# KiCad board mtk64_R_rev2.kicad_pcb (continued)
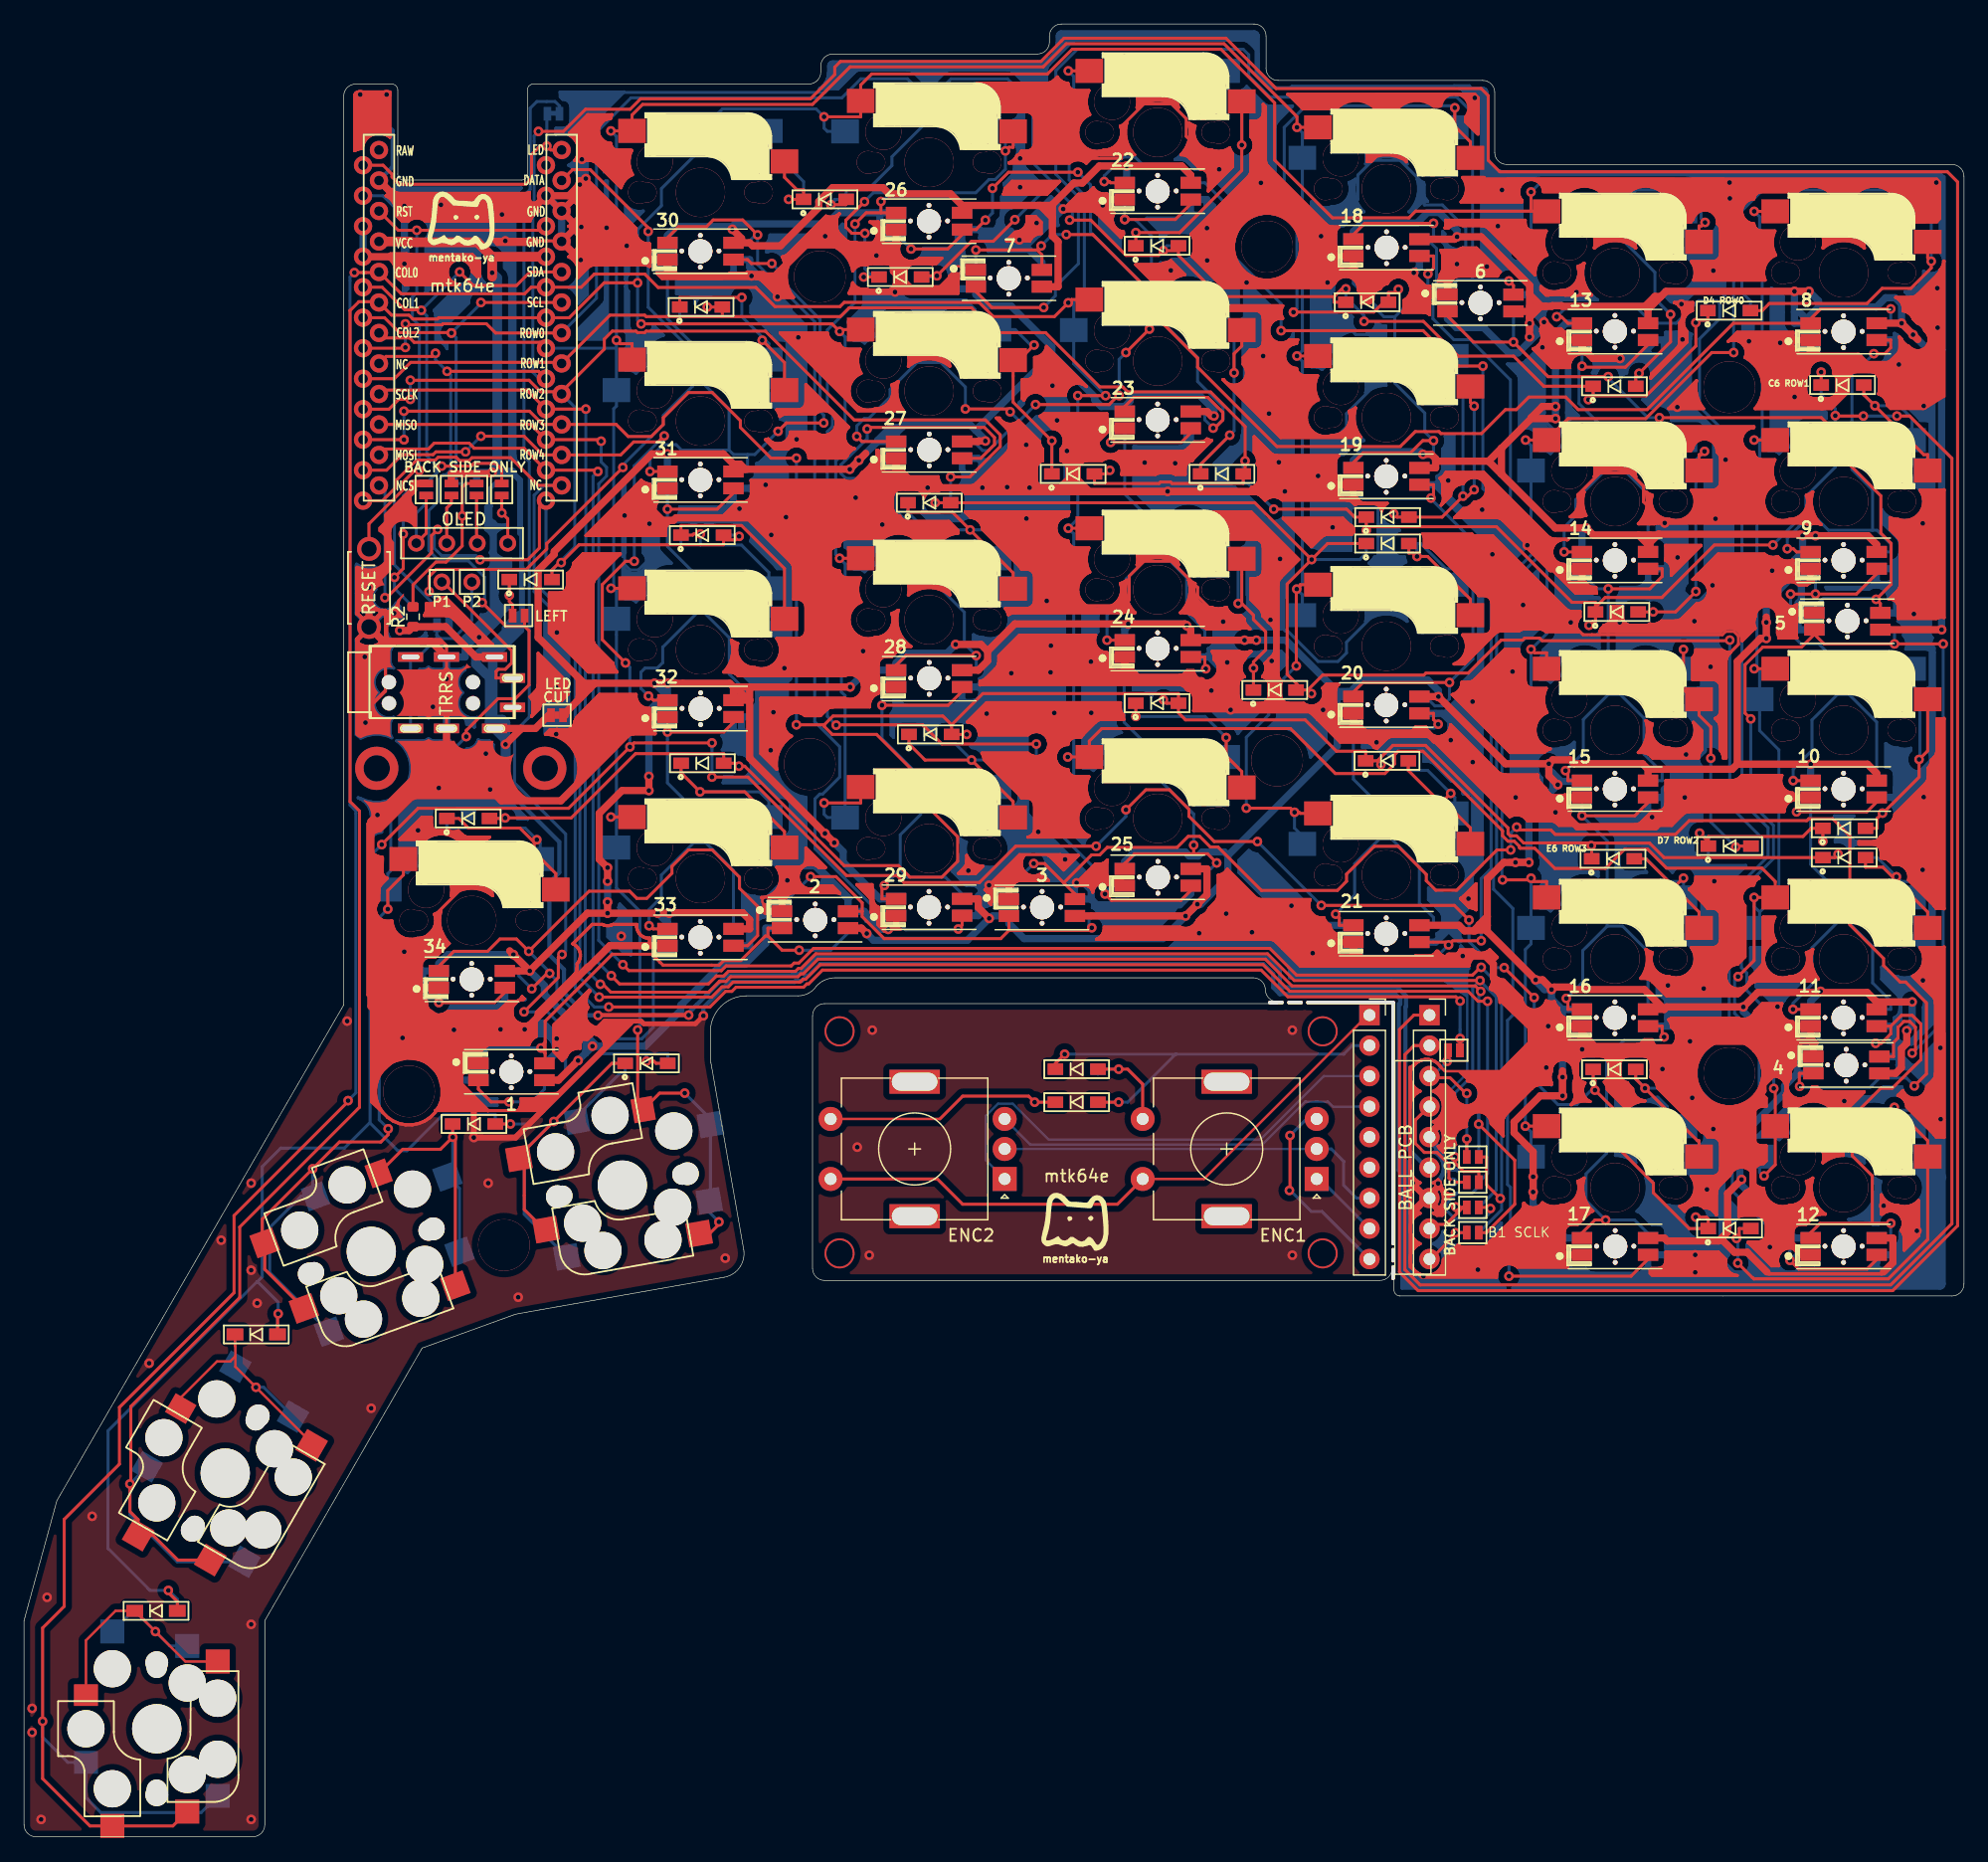
[diagram p0: board, top side]
## Routing (per net, layer and track width the routed paths; a pad name or vN(x,y) marks a point on that pad's centre or on a via; arc(x,y) is an arc through that point) (continued)
139.96,104.53 ; 140.1,104.39 140.21,104.22 ; 140.1,104.39 139.96,104.53 ; 140.1,104.39 140.21,104.22 ; 139.96,104.53 139.79,104.65 ; 139.96,104.53 139.79,104.65 ; 106.78,93.79 106.75,93.8 ; 106.78,93.79 106.89,93.78 ; 106.78,93.79 106.89,93.78 ; 106.78,93.79 106.75,93.8 ; 106.75,93.8 106.71,93.79 ; 106.75,93.8 106.71,93.79 ; 87.14,120.85 87.31,120.96 ; 87.14,120.85 87.31,120.96 ; 86.86,88.91 86.98,88.91 ; 86.86,88.91 86.66,88.95 ; 86.86,88.91 86.98,88.91 ; 86.86,88.91 86.66,88.95 ; 86.98,88.91 86.98,88.82 ; 86.98,88.91 86.98,88.82 ; 118.95,53.49 119.1,53.49 ; 118.95,53.49 118.75,53.53 ; 118.95,53.49 119.1,53.49 ; 118.95,53.49 118.75,53.53 ; 119.1,53.49 118.98,53.47 ; 119.1,53.49 118.98,53.47 ; 141.3,96 141.24,96.11 ; 141.3,96 141.34,95.88 ; 141.3,96 141.34,95.88 ; 141.3,96 141.24,96.11 ; 141.24,96.11 141.16,96.21 ; 141.24,96.11 141.16,96.21 ; 45.27,104.25 45.27,105.2 ; 45.27,104.25 45.27,105.2 ; 45.27,104.25 45.26,104.13 ; 45.27,104.25 45.26,104.13 ; 45.27,105.2 45.27,105.23 ; 45.27,105.2 45.27,105.23 ; 69.78,113.57 69.9,113.68 ; 69.78,113.57 69.72,113.42 ; 69.78,113.57 69.9,113.68 ; 69.78,113.57 69.72,113.42 ; 63.63,129.14 63.83,128.63 ; 63.63,129.14 63.83,128.63 ; 63.83,128.63 64.11,128.22 ; 63.83,128.63 64.11,128.22 ; 96.84,140.7 97.04,141.19 ; 96.84,140.7 97.04,141.19 ; 96.84,140.7 96.55,140.26 ; 96.84,140.7 96.55,140.26 ; 97.04,141.19 97.15,141.71 ; 97.04,141.19 97.15,141.71 ; 147.42,66.78 147.48,66.67 ; 147.42,66.78 147.38,66.9 ; 147.42,66.78 147.48,66.67 ; 147.42,66.78 147.38,66.9 ; 147.48,66.67 147.56,66.57 ; 147.48,66.67 147.56,66.57 ; 32.23,134.74 32.06,134.63 ; 32.23,134.74 32.42,134.82 ; 32.23,134.74 32.42,134.82 ; 32.23,134.74 32.06,134.63 ; 32.06,134.63 32.02,134.58 ; 32.06,134.63 32.02,134.58 ; 136.69,85.72 136.75,85.83 ; 136.69,85.72 136.61,85.62 ; 136.69,85.72 136.61,85.62 ; 136.69,85.72 136.75,85.83 ; 136.75,85.83 136.79,85.95 ; 136.75,85.83 136.79,85.95 ; 157.34,134.48 157.46,134.49 157.34,134.48 ; 157.34,134.48 157.22,134.45 ; 157.34,134.48 157.22,134.45 ; 69.55,103.29 69.71,102.9 ; 69.55,103.29 69.47,103.71 ; 69.55,103.29 69.47,103.71 ; 69.55,103.29 69.71,102.9 ; 84.08,133.32 83.94,133.18 ; 84.08,133.32 84.25,133.43 ; 84.08,133.32 84.25,133.43 ; 84.08,133.32 83.94,133.18 ; 83.94,133.18 83.83,133.01 ; 83.94,133.18 83.83,133.01 ; 147.37,125.18 147.38,124.96 ; 147.37,125.18 147.38,125.3 ; 147.37,125.18 147.38,125.3 ; 147.37,125.18 147.38,124.96 ; 147.38,124.96 147.53,124.8 ; 147.38,124.96 147.53,124.8 ; 126.26,52.54 126.4,52.66 ; 126.26,52.54 126.4,52.66 ; 91.58,98.42 91.84,98.42 ; 91.58,98.42 91.84,98.42 ; 91.84,98.42 91.84,98.4 ; 91.84,98.42 91.84,98.4 ; 117.72,91.64 117.93,91.64 ; 117.72,91.64 117.93,91.64 ; 133.21,134.34 133.44,133.99 ; 133.21,134.34 133.44,133.99 ; 101.67,101.39 101.68,101.35 ; 101.67,101.39 101.68,101.35 ; 101.67,101.39 101.68,101.43 ; 101.67,101.39 101.68,101.43 ; 101.68,101.35 101.69,101.24 ; 101.68,101.35 101.69,101.24 ; 75,111.62 75.11,111.79 ; 75,111.62 75.11,111.79 ; 135.97,62.84 135.86,63.01 ; 135.97,62.84 135.86,63.01 ; 141.24,92.75 141.17,92.88 ; 141.24,92.75 141.17,92.88 ; 90.23,117.15 90.04,117.07 ; 90.23,117.15 90.04,117.07 ; 90.04,117.07 89.87,116.95 ; 90.04,117.07 89.87,116.95 ; 118.14,130.36 118.18,130.5 ; 118.14,130.36 118.18,130.5 ; 118.14,130.36 118.07,130.22 ; 118.14,130.36 118.07,130.22 ; 118.18,130.5 118.2,130.61 ; 118.18,130.5 118.2,130.61 ; 116.63,126.99 116.74,126.98 ; 116.63,126.99 116.74,126.98 ; 38.09,78.91 37.57,79.01 ; 38.09,78.91 37.57,79.01 ; 37.57,79.01 37.05,79.01 ; 37.57,79.01 37.05,79.01 ; 70.94,77.59 71.06,77.49 ; 70.94,77.59 71.06,77.49 ; 70.94,77.59 70.85,77.7 ; 70.94,77.59 70.85,77.7 ; 71.06,77.49 71.19,77.42 ; 71.06,77.49 71.19,77.42 ; 78.59,81.62 78.76,81.38 ; 78.59,81.62 78.55,81.74 ; 78.59,81.62 78.76,81.38 ; 78.59,81.62 78.55,81.74 ; 78.76,81.38 78.96,81.17 ; 78.76,81.38 78.96,81.17 ; 91.46,113.52 91.5,113.72 ; 91.46,113.52 91.5,113.72 ; 113.22,110.69 113.14,110.5 ; 113.22,110.69 113.14,110.5 ; 141.08,92.99 141.05,93.01 ; 141.08,92.99 141.1,92.96 ; 141.08,92.99 141.1,92.96 ; 141.08,92.99 141.05,93.01 ; 141.05,93.01 140.91,93.15 ; 141.05,93.01 140.91,93.15 ; 141.16,96.21 141.06,96.29 ; 141.16,96.21 141.06,96.29 ; 126.35,124.44 126.43,124.63 ; 126.35,124.44 126.24,124.27 ; 126.35,124.44 126.43,124.63 ; 126.35,124.44 126.24,124.27 ; 111.07,92.44 111.05,92.44 ; 111.07,92.44 111.05,92.44 ; 83.91,121.48 84.01,121.55 ; 83.91,121.48 84.01,121.55 ; 83.91,121.48 83.8,121.42 ; 83.91,121.48 83.8,121.42 ; 84.01,121.55 84.09,121.65 ; 84.01,121.55 84.09,121.65 ; 103.67,94.81 103.71,94.93 ; 103.67,94.81 103.71,94.93 ; 103.67,94.81 103.62,94.7 ; 103.67,94.81 103.62,94.7 ; 103.71,94.93 103.72,95.05 ; 103.71,94.93 103.72,95.05 ; 120.52,113.2 120.33,113.13 ; 120.52,113.2 120.33,113.13 ; 120.52,113.2 120.72,113.24 ; 120.52,113.2 120.72,113.24 ; 120.33,113.13 120.16,113.01 ; 120.33,113.13 120.16,113.01 ; 103.29,129.67 103.84,129.67 ; 103.29,129.67 103.84,129.67 ; 103.84,129.67 104.38,129.77 ; 103.84,129.67 104.38,129.77 ; 65.1,119.26 65.14,119.38 ; 65.1,119.26 65.14,119.38 ; 65.27,115.33 65.35,115.14 ; 65.27,115.33 65.35,115.14 ; 158.45,124.06 158.57,124.2 ; 158.45,124.06 158.57,124.2 ; 158.45,124.06 158.31,123.94 ; 158.45,124.06 158.31,123.94 ; 158.57,124.2 158.66,124.36 ; 158.57,124.2 158.66,124.36 ; 86.05,90.44 85.97,90.25 ; 86.05,90.44 85.97,90.25 ; 97.44,97.14 97.47,96.99 ; 97.44,97.14 97.47,96.99 ; 135.7,89.86 135.55,90.01 ; 135.7,89.86 135.55,90.01 ; 139.3,63.33 139.41,62.79 ; 139.3,63.33 139.41,62.79 ; 139.41,62.79 139.62,62.28 ; 139.41,62.79 139.62,62.28 ; 90.41,97.32 90.51,97.25 ; 90.41,97.32 90.33,97.42 ; 90.41,97.32 90.33,97.42 ; 90.41,97.32 90.51,97.25 ; 147.49,102.52 147.68,102.6 ; 147.49,102.52 147.68,102.6 ; 147.49,102.52 147.29,102.48 ; 147.49,102.52 147.29,102.48 ; 147.68,102.6 147.71,102.62 ; 147.68,102.6 147.71,102.62 ; 133.59,100.96 133.71,100.92 ; 133.59,100.96 133.71,100.92 ; 133.59,100.96 133.48,101.02 ; 133.59,100.96 133.48,101.02 ; 133.71,100.92 133.84,100.91 ; 133.71,100.92 133.84,100.91 ; 30.16,131.62 30.24,131.58 ; 30.16,131.62 30.24,131.58 ; 31,75.31 31.22,75.09 ; 31,75.31 31.22,75.09 ; 31,75.31 30.83,75.57 ; 31,75.31 30.83,75.57 ; 31.22,75.09 31.48,74.92 ; 31.22,75.09 31.48,74.92 ; 108.87,134.1 108.98,134.09 ; 108.87,134.1 108.98,134.09 ; 108.87,134.1 108.72,134.15 ; 108.87,134.1 108.72,134.15 ; 108.98,134.09 109.02,134.09 ; 108.98,134.09 109.02,134.09 ; 128.02,108.02 127.83,107.94 ; 128.02,108.02 128.22,108.06 ; 128.02,108.02 127.83,107.94 ; 128.02,108.02 128.22,108.06 ; 127.83,107.94 127.66,107.83 ; 127.83,107.94 127.66,107.83 ; 144.98,51.59 144.88,51.67 ; 144.98,51.59 145.06,51.49 ; 144.98,51.59 145.06,51.49 ; 144.98,51.59 144.88,51.67 ; 67.94,135.19 67.93,135.19 ; 67.94,135.19 67.93,135.19 ; 101.43,94.52 101.54,94.46 ; 101.43,94.52 101.54,94.46 ; 52.61,110.89 52.69,111.08 ; 52.61,110.89 52.69,111.08 ; 119.91,78.31 119.79,78.21 ; 119.91,78.31 119.79,78.21 ; 122.36,112.92 122.39,112.89 ; 122.36,112.92 122.39,112.89 ; 122.36,112.92 121.63,113.65 ; 122.36,112.92 121.63,113.65 ; 122.39,112.89 122.43,112.86 ; 122.39,112.89 122.43,112.86 ; 123.88,85.02 123.79,84.96 ; 123.88,85.02 124.07,85.1 ; 123.88,85.02 123.79,84.96 ; 123.88,85.02 124.07,85.1 ; 123.79,84.96 117.33,91.42 ; 123.79,84.96 117.33,91.42 ; 144.76,57.56 145.15,57.56 ; 144.76,57.56 145.15,57.56 ; 145.15,57.56 145.15,56.3 ; 145.15,57.56 145.15,56.3 ; 75.68,128.86 75.56,128.82 ; 75.68,128.86 75.56,128.82 ; 36.96,131.15 37.1,131.01 ; 36.96,131.15 37.1,131.01 ; 82.92,86.79 79.98,89.73 ; 82.92,86.79 79.98,89.73 ; 82.92,86.79 82.95,86.77 ; 82.92,86.79 82.95,86.77 ; 79.98,89.73 79.98,89.79 ; 79.98,89.73 79.98,89.79 ; 72.53,114.95 72.53,114.97 ; 72.53,114.95 72.53,114.97 ; 72.53,114.95 71.33,114.95 ; 72.53,114.95 71.33,114.95 ; 72.53,114.97 72.79,114.97 ; 72.53,114.97 72.79,114.97 ; 41.03,69.6 41.15,69.64 ; 41.03,69.6 41.15,69.64 ; 124.07,85.1 124.27,85.14 ; 124.07,85.1 124.27,85.14 ; 112.4,128.3 112.4,128.01 ; 112.4,128.3 112.41,128.43 ; 112.4,128.3 112.4,128.01 ; 112.4,128.3 112.41,128.43 ; 103.14,143.2 103.2,143.31 ; 103.14,143.2 103.2,143.31 ; 103.2,143.31 103.24,143.43 ; 103.2,143.31 103.24,143.43 ; 97.46,95.03 97.42,95.14 ; 97.46,95.03 97.47,94.9 ; 97.46,95.03 97.47,94.9 ; 97.46,95.03 97.42,95.14 ; 68.35,116.55 68.39,116.35 ; 68.35,116.55 68.39,116.35 ; 122.91,88.6 123.07,88.52 ; 122.91,88.6 122.77,88.72 ; 122.91,88.6 123.07,88.52 ; 122.91,88.6 122.77,88.72 ; 123.07,88.52 123.23,88.47 ; 123.07,88.52 123.23,88.47 ; 103.7,125.56 103.7,125.35 ; 103.7,125.56 103.7,125.35 ; 103.7,125.35 103.74,125.15 ; 103.7,125.35 103.74,125.15 ; 29.87,80.2 29.93,80.09 ; 29.87,80.2 29.93,80.09 ; 124.56,137.31 124.53,137.11 ; 124.56,137.31 124.53,137.11 ; 75.56,131.03 75.44,131.04 ; 75.56,131.03 75.44,131.04 ; 126.7,95.34 126.62,94.93 ; 126.7,95.34 126.83,95.66 ; 126.7,95.34 126.62,94.93 ; 126.7,95.34 126.83,95.66 ; 126.62,94.93 126.62,94.51 ; 126.62,94.93 126.62,94.51 ; 91.22,133.8 91.41,133.73 ; 91.22,133.8 91.05,133.92 ; 91.22,133.8 91.41,133.73 ; 91.22,133.8 91.05,133.92 ; 91.41,133.73 91.6,133.69 ; 91.41,133.73 91.6,133.69 ; 86.09,109.49 86.2,109.66 ; 86.09,109.49 86.2,109.66 ; 128.35,125.37 128.33,125.3 ; 128.35,125.37 128.34,125.37 ; 128.35,125.37 128.33,125.3 ; 128.35,125.37 128.34,125.37 ; 128.33,125.3 128.32,125.18 ; 128.33,125.3 128.32,125.18 ; 144.13,136.52 144.17,136.64 ; 144.13,136.52 144.17,136.64 ; 92.73,144.05 92.78,144.31 ; 92.73,144.05 92.78,144.31 ; 92.73,144.05 92.75,144.06 ; 92.73,144.05 92.75,144.06 ; 92.78,144.31 92.78,144.73 ; 92.78,144.31 92.78,144.73 ; 72.79,76.87 72.79,76.85 ; 72.79,76.87 72.79,76.85 ; 102.05,112.13 109.27,112.13 ; 102.05,112.13 109.27,112.13 ; 102.05,112.13 102.12,112.19 ; 102.05,112.13 102.12,112.19 ; 102.05,112.13 109.27,112.13 ; 102.05,112.13 109.27,112.13 ; 141.05,115.34 141.06,115.34 ; 141.05,115.34 141.06,115.34 ; 92.31,102.02 92.11,102.06 ; 92.31,102.02 92.45,101.96 ; 92.31,102.02 92.11,102.06 ; 92.31,102.02 92.45,101.96 ; 92.11,102.06 91.9,102.06 ; 92.11,102.06 91.9,102.06 ; 120.49,72.92 120.41,72.73 ; 120.49,72.92 120.61,73.09 ; 120.49,72.92 120.41,72.73 ; 120.49,72.92 120.61,73.09 ; 120.41,72.73 120.38,72.54 ; 120.41,72.73 120.38,72.54 ; 144.52,60.78 144.41,60.73 ; 144.52,60.78 144.64,60.82 ; 144.52,60.78 144.64,60.82 ; 144.52,60.78 144.41,60.73 ; 144.41,60.73 144.31,60.65 ; 144.41,60.73 144.31,60.65 ; 148.06,137.25 147.71,137.01 ; 148.06,137.25 148.45,137.41 ; 148.06,137.25 148.45,137.41 ; 148.06,137.25 147.71,137.01 ; 147.71,137.01 147.53,136.83 ; 147.71,137.01 147.53,136.83 ; 84.15,143.3 84.09,143.41 ; 84.15,143.3 84.19,143.18 ; 84.15,143.3 84.09,143.41 ; 84.15,143.3 84.19,143.18 ; 84.09,143.41 84.01,143.51 ; 84.09,143.41 84.01,143.51 ; 116.86,58.48 116.87,58.47 ; 116.86,58.48 116.87,58.47 ; 32.35,59.31 32.89,59.41 ; 32.35,59.31 32.89,59.41 ; 32.89,59.41 33.39,59.62 ; 32.89,59.41 33.39,59.62 ; 132.17,101.31 132.21,101.43 ; 132.17,101.31 132.21,101.43 ; 132.17,101.31 132.12,101.2 ; 132.17,101.31 132.12,101.2 ; 132.21,101.43 132.22,101.55 ; 132.21,101.43 132.22,101.55 ; 58.43,129.88 58.3,129.84 ; 58.43,129.88 58.3,129.84 ; 156.23,109.7 156.53,109.64 ; 156.23,109.7 156.53,109.64 ; 156.23,109.7 156.13,109.74 ; 156.23,109.7 156.13,109.74 ; 125.9,130.12 125.9,130.1 ; 125.9,130.12 125.9,130.43 ; 125.9,130.12 125.9,130.1 ; 125.9,130.12 125.9,130.43 ; 91.35,142.5 91.66,142.62 ; 91.35,142.5 91.66,142.62 ; 59.37,98.73 59.43,98.44 ; 59.37,98.73 59.43,98.44 ; 32.79,74.84 32.96,74.84 ; 32.79,74.84 32.69,74.8 ; 32.79,74.84 32.69,74.8 ; 32.79,74.84 32.96,74.84 ; 32.96,74.84 33.24,74.9 ; 32.96,74.84 33.24,74.9 ; 133.74,133.7 134.09,133.46 ; 133.74,133.7 134.09,133.46 ; 133.74,133.7 133.44,133.99 ; 133.74,133.7 133.44,133.99 ; 134.09,133.46 134.3,133.37 ; 134.09,133.46 134.3,133.37 ; 144.41,114.82 144.31,114.89 ; 144.41,114.82 144.31,114.89 ; 92.53,140.11 92.32,140.11 ; 92.53,140.11 92.32,140.11 ; 144.91,72.95 144.91,72.99 ; 144.91,72.95 144.91,72.99 ; 144.91,72.95 144.9,72.84 ; 144.91,72.95 144.9,72.84 ; 144.91,72.99 144.91,73.03 ; 144.91,72.99 144.91,73.03 ; 28.23,140.91 28.18,140.64 ; 28.23,140.91 28.18,140.64 ; 28.18,140.64 28.18,140.63 ; 28.18,140.64 28.18,140.63 ; 81.27,118.18 81.02,118.18 ; 81.27,118.18 81.02,118.18 ; 89.5,116.25 89.5,116.05 ; 89.5,116.25 89.5,116.05 ; 89.5,116.05 89.54,115.85 ; 89.5,116.05 89.54,115.85 ; 76.86,129.37 76.98,129.54 ; 76.86,129.37 76.72,129.22 ; 76.86,129.37 76.98,129.54 ; 76.86,129.37 76.72,129.22 ; 76.98,129.54 77.06,129.72 ; 76.98,129.54 77.06,129.72 ; 133.75,62.58 133.77,62.56 ; 133.75,62.58 133.7,62.64 ; 133.75,62.58 133.77,62.56 ; 133.75,62.58 133.7,62.64 ; 133.77,62.56 134.02,62.31 ; 133.77,62.56 134.02,62.31 ; 148.73,86.72 148.99,86.72 ; 148.73,86.72 148.73,86.7 ; 148.73,86.72 148.73,86.7 ; 148.73,86.72 148.99,86.72 ; 148.99,86.72 148.99,86.7 ; 148.99,86.72 148.99,86.7 ; 88.15,83.81 88.37,83.59 ; 88.15,83.81 87.98,84.07 ; 88.15,83.81 88.37,83.59 ; 88.15,83.81 87.98,84.07 ; 88.37,83.59 88.63,83.42 ; 88.37,83.59 88.63,83.42 ; 36.26,129.31 36.28,129.29 ; 36.26,129.31 36.28,129.29 ; 36.26,129.31 36.2,129.31 ; 36.26,129.31 36.2,129.31 ; 155.33,122.83 155.46,122.9 ; 155.33,122.83 155.19,122.79 ; 155.33,122.83 155.19,122.79 ; 155.33,122.83 155.46,122.9 ; 155.46,122.9 155.58,123 ; 155.46,122.9 155.58,123 ; 79.35,112.74 79.37,112.76 ; 79.35,112.74 79.37,112.76 ; 79.35,112.74 79.23,112.64 ; 79.35,112.74 79.23,112.64 ; 79.37,112.76 81.85,115.24 ; 79.37,112.76 81.85,115.24 ; 41.45,61.11 41.45,61.32 ; 41.45,61.11 41.45,61.32 ; 62.72,99.82 62.84,99.63 ; 62.72,99.82 62.84,99.63 ; 80.58,77.82 80.57,77.66 ; 80.58,77.82 80.57,77.66 ; 80.58,77.82 80.73,77.98 ; 80.58,77.82 80.73,77.98 ; 80.57,77.66 80.45,77.79 ; 80.57,77.66 80.45,77.79 ; 155.97,102.9 155.87,102.98 ; 155.97,102.9 156.05,102.81 ; 155.97,102.9 155.87,102.98 ; 155.97,102.9 156.05,102.81 ; 155.87,102.98 155.76,103.04 ; 155.87,102.98 155.76,103.04 ; 117.64,73.67 117.69,73.77 ; 117.64,73.67 117.69,73.77 ; 100.89,131.64 101.1,131.13 ; 100.89,131.64 100.78,132.18 ; 100.89,131.64 100.78,132.18 ; 100.89,131.64 101.1,131.13 ; 101.1,131.13 101.4,130.68 ; 101.1,131.13 101.4,130.68 ; 97.33,131.65 97.37,131.7 ; 97.33,131.65 99.94,129.05 ; 97.33,131.65 99.94,129.05 ; 97.33,131.65 97.37,131.7 ; 97.37,131.7 97.42,131.81 ; 97.37,131.7 97.42,131.81 ; 144.52,136.99 144.41,136.93 ; 144.52,136.99 144.41,136.93 ; 144.52,136.99 144.64,137.02 ; 144.52,136.99 144.64,137.02 ; 144.41,136.93 144.31,136.85 ; 144.41,136.93 144.31,136.85 ; 110.24,129.97 110.03,129.97 ; 110.24,129.97 110.03,129.97 ; 110.24,129.97 110.44,129.93 ; 110.24,129.97 110.44,129.93 ; 110.03,129.97 109.83,129.93 ; 110.03,129.97 109.83,129.93 ; 129.49,129.84 129.55,130.13 ; 129.49,129.84 129.55,130.13 ; 47.06,66.85 47.26,66.89 ; 47.06,66.85 46.87,66.77 ; 47.06,66.85 46.87,66.77 ; 47.06,66.85 47.26,66.89 ; 47.55,99.29 47.57,99.26 ; 47.55,99.29 47.57,99.26 ; 47.57,99.26 47.64,99.18 ; 47.57,99.26 47.64,99.18 ; 139.78,52.54 139.59,52.61 ; 139.78,52.54 139.94,52.42 ; 139.78,52.54 139.94,52.42 ; 139.78,52.54 139.59,52.61 ; 139.59,52.61 139.39,52.65 ; 139.59,52.61 139.39,52.65 ; 156.98,134.27 156.78,134.47 ; 156.98,134.27 156.78,134.47 ; 156.98,134.27 157.01,134.31 ; 156.98,134.27 157.01,134.31 ; 156.78,134.47 156.43,134.71 ; 156.78,134.47 156.43,134.71 ; 138.41,115.44 138.29,115.43 ; 138.41,115.44 138.87,115.44 ; 138.41,115.44 138.87,115.44 ; 138.41,115.44 138.29,115.43 ; 138.29,115.43 138.17,115.4 ; 138.29,115.43 138.17,115.4 ; 110.63,112.75 110.63,112.77 ; 110.63,112.75 109.43,112.75 ; 110.63,112.75 109.43,112.75 ; 110.63,112.75 110.63,112.77 ; 110.63,112.77 110.89,112.77 ; 110.63,112.77 110.89,112.77 ; 111.75,91.19 109.67,91.19 ; 111.75,91.19 109.67,91.19 ; 111.75,91.19 111.78,91.19 ; 111.75,91.19 111.78,91.19 ; 149.78,123.13 149.81,123.13 ; 149.78,123.13 149.81,123.13 ; 126.9,93.65 126.73,93.58 ; 126.9,93.65 126.73,93.58 ; 126.73,93.58 126.47,93.41 ; 126.73,93.58 126.47,93.41 ; 72.3,101.9 72.61,102.02 ; 72.3,101.9 72.34,101.81 ; 72.3,101.9 72.34,101.81 ; 72.3,101.9 72.61,102.02 ; 72.61,102.02 72.83,102.17 ; 72.61,102.02 72.83,102.17 ; 47.91,67.4 47.71,67.4 ; 47.91,67.4 47.71,67.4 ; 47.71,67.4 47.51,67.44 ; 47.71,67.4 47.51,67.44 ; 118.56,53.61 118.75,53.53 ; 118.56,53.61 118.75,53.53 ; 118.56,53.61 118.39,53.72 ; 118.56,53.61 118.39,53.72 ; 121.69,60.28 121.5,60.36 ; 121.69,60.28 121.5,60.36 ; 28.43,134.16 28.44,134.14 ; 28.43,134.16 28.44,134.14 ; 28.44,134.14 28.26,133.96 ; 28.44,134.14 28.26,133.96 ; 42.84,95.95 42.84,95.99 ; 42.84,95.95 42.84,95.91 ; 42.84,95.95 42.84,95.91 ; 42.84,95.95 42.84,95.99 ; 42.84,95.99 42.84,98.57 ; 42.84,95.99 42.84,98.57 ; 29.7,81.61 29.82,81.61 ; 29.7,81.61 29.5,81.65 ; 29.7,81.61 29.5,81.65 ; 29.7,81.61 29.82,81.61 ; 95.73,106.26 95.24,106.46 ; 95.73,106.26 96.17,105.96 ; 95.73,106.26 96.17,105.96 ; 95.73,106.26 95.24,106.46 ; 95.24,106.46 94.72,106.56 ; 95.24,106.46 94.72,106.56 ; 139.41,119.94 139.62,119.43 ; 139.41,119.94 139.3,120.48 ; 139.41,119.94 139.3,120.48 ; 139.41,119.94 139.62,119.43 ; 145.68,63.37 145.48,63.33 ; 145.68,63.37 145.48,63.33 ; 130.35,51.92 130.32,51.89 ; 130.35,51.92 130.38,51.94 ; 130.35,51.92 130.38,51.94 ; 130.35,51.92 130.32,51.89 ; 130.32,51.89 129.45,51.01 ; 130.32,51.89 129.45,51.01 ; 99.33,127.58 99.47,127.54 ; 99.33,127.58 99.2,127.66 ; 99.33,127.58 99.47,127.54 ; 99.33,127.58 99.2,127.66 ; 99.47,127.54 99.58,127.53 ; 99.47,127.54 99.58,127.53 ; 88.7,136.97 88.84,137.09 ; 88.7,136.97 88.84,137.09 ; 88.7,136.97 88.54,136.89 ; 88.7,136.97 88.54,136.89 ; 88.84,137.09 88.87,137.13 ; 88.84,137.09 88.87,137.13 ; 69.83,96.08 69.75,96.27 ; 69.83,96.08 69.75,96.27 ; 69.83,96.08 69.86,95.88 ; 69.83,96.08 69.86,95.88 ; 146.67,60.83 146.67,61.8 ; 146.67,60.83 147.06,60.83 ; 146.67,60.83 146.67,61.8 ; 146.67,60.83 147.06,60.83 ; 146.67,61.8 146.7,61.85 ; 146.67,61.8 146.7,61.85 ; 124.83,69.6 124.9,69.41 ; 124.83,69.6 124.79,69.8 ; 124.83,69.6 124.9,69.41 ; 124.83,69.6 124.79,69.8 ; 124.9,69.41 125.02,69.24 ; 124.9,69.41 125.02,69.24 ; 34.69,70.85 34.71,70.85 ; 34.69,70.85 34.69,70.87 ; 34.69,70.85 34.69,70.87 ; 34.69,70.85 34.71,70.85 ; 34.71,70.85 34.71,70.6 ; 34.71,70.85 34.71,70.6 ; 43.35,94.59 43.47,94.62 ; 43.35,94.59 43.47,94.62 ; 127.5,84.57 127.36,84.61 ; 127.5,84.57 127.36,84.61 ; 127.5,84.57 127.63,84.5 ; 127.5,84.57 127.63,84.5 ; 127.36,84.61 127.25,84.62 ; 127.36,84.61 127.25,84.62 ; 109.32,133.82 109.28,133.7 ; 109.32,133.82 109.28,133.7 ; 109.28,133.7 109.27,133.58 ; 109.28,133.7 109.27,133.58 ; 53.96,109.53 54.04,109.53 ; 53.96,109.53 54.04,109.53 ; 153.14,137.25 152.79,137.01 ; 153.14,137.25 153.53,137.41 ; 153.14,137.25 152.79,137.01 ; 153.14,137.25 153.53,137.41 ; 152.79,137.01 152.49,136.72 ; 152.79,137.01 152.49,136.72 ; 136.96,117.45 144.13,117.45 ; 136.96,117.45 136.93,117.42 ; 136.96,117.45 144.13,117.45 ; 136.96,117.45 136.93,117.42 ; 144.13,117.45 144.13,117.38 ; 144.13,117.45 144.13,117.38 ; 102.12,112.19 102.22,112.3 ; 102.12,112.19 102.22,112.3 ; 102.22,112.3 102.28,112.42 ; 102.22,112.3 102.28,112.42 ; 131.91,115.29 132.07,115.68 ; 131.91,115.29 132.07,115.68 ; 131.91,115.29 131.68,114.94 ; 131.91,115.29 131.68,114.94 ; 132.07,115.68 132.16,116.1 ; 132.07,115.68 132.16,116.1 ; 104.74,127.1 104.74,126.9 ; 104.74,127.1 104.74,126.9 ; 104.74,127.1 104.77,127.3 ; 104.74,127.1 104.77,127.3 ; 104.74,126.9 104.77,126.7 ; 104.74,126.9 104.77,126.7 ; 143.98,55.35 143.97,55.31 ; 143.98,55.35 144.06,55.54 ; 143.98,55.35 143.97,55.31 ; 143.98,55.35 144.06,55.54 ; 143.97,55.31 143.91,55.41 ; 143.97,55.31 143.91,55.41 ; 104.22,74.64 104.34,74.54 ; 104.22,74.64 104.34,74.54 ; 156.32,104.29 156.33,104.33 ; 156.32,104.29 156.33,104.33 ; 156.32,104.29 156.31,104.18 ; 156.32,104.29 156.31,104.18 ; 117.82,129.6 118.31,129.6 ; 117.82,129.6 118.31,129.6 ; 148.96,64.86 148.96,64.84 ; 148.96,64.86 148.96,64.84 ; 89.94,102.39 90.11,102.39 ; 89.94,102.39 90.11,102.39 ; 90.11,102.39 90.39,102.45 ; 90.11,102.39 90.39,102.45 ; 129.96,67.4 129.94,67.4 ; 129.96,67.4 129.96,67.65 ; 129.96,67.4 129.96,67.65 ; 129.96,67.4 129.94,67.4 ; 129.94,67.4 129.94,66.55 ; 129.94,67.4 129.94,66.55 ; 87.02,145.85 86.98,145.97 ; 87.02,145.85 86.98,145.97 ; 155.88,85.18 158.4,87.71 